# Altium PCB USB to UART.PcbDoc
Units mm, origin at the board's own origin, x right, y up, seen from the top; angles counter-clockwise.
Board outline 22 x 38 mm, 2 copper layers (Top Layer, Bottom Layer); 29 components, 26 nets, 102 pads, 27 vias.
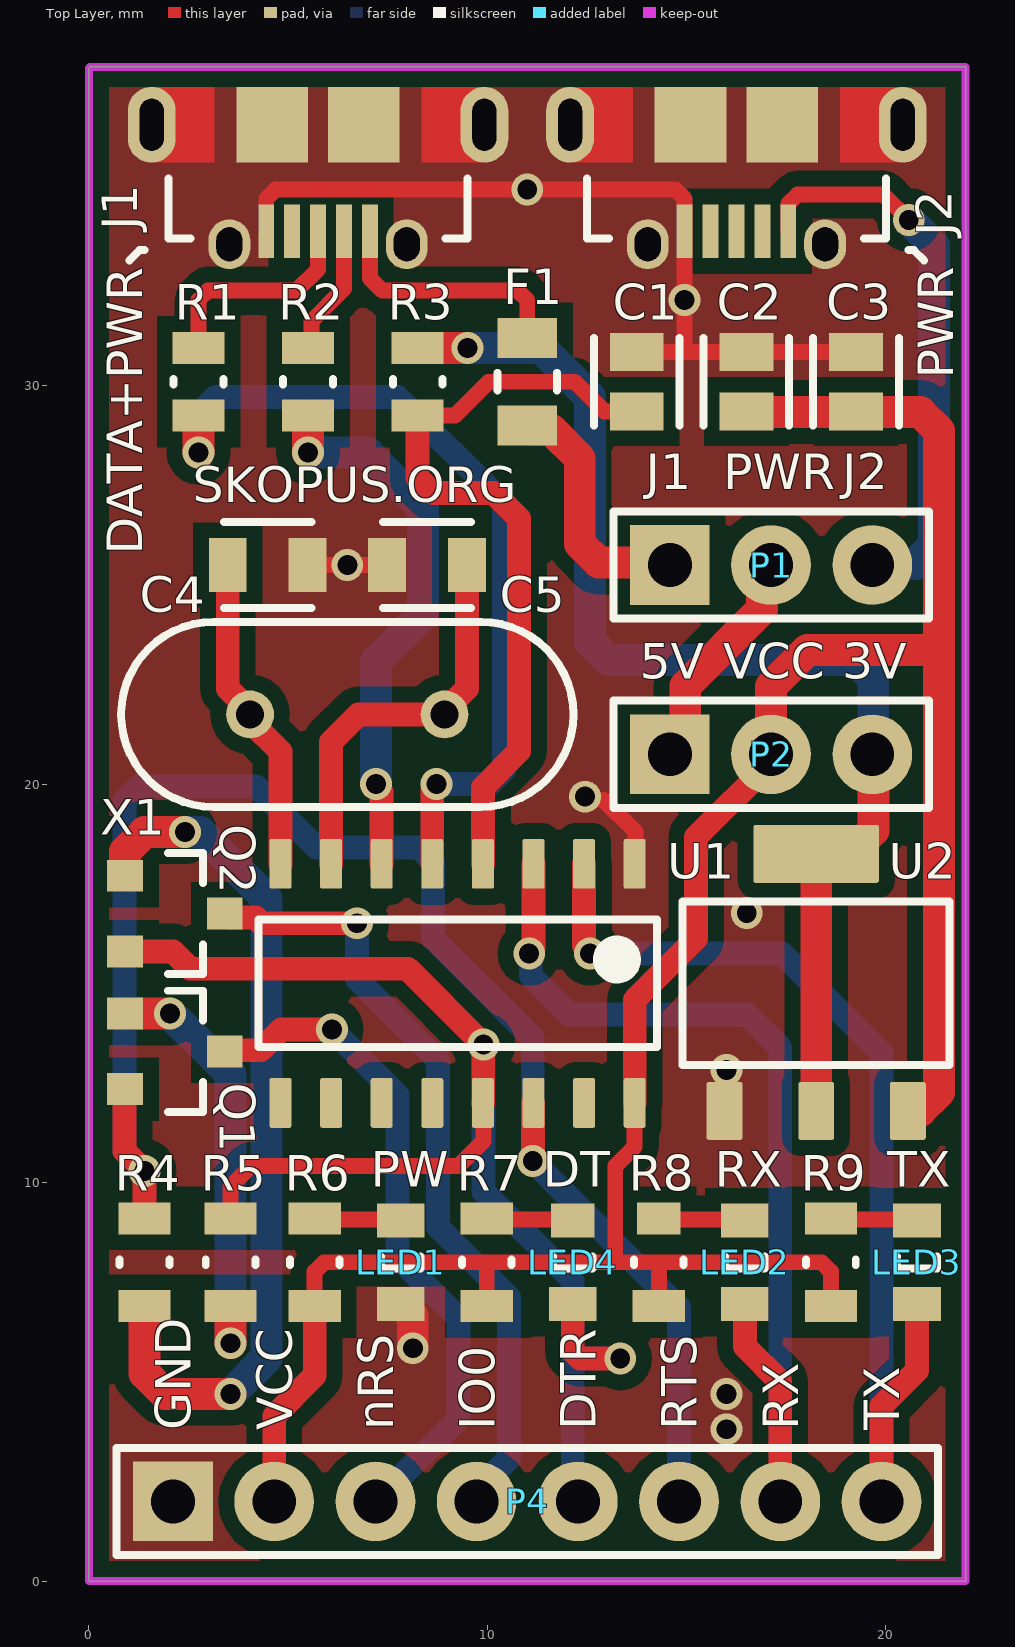
[diagram p0: Top Layer view]
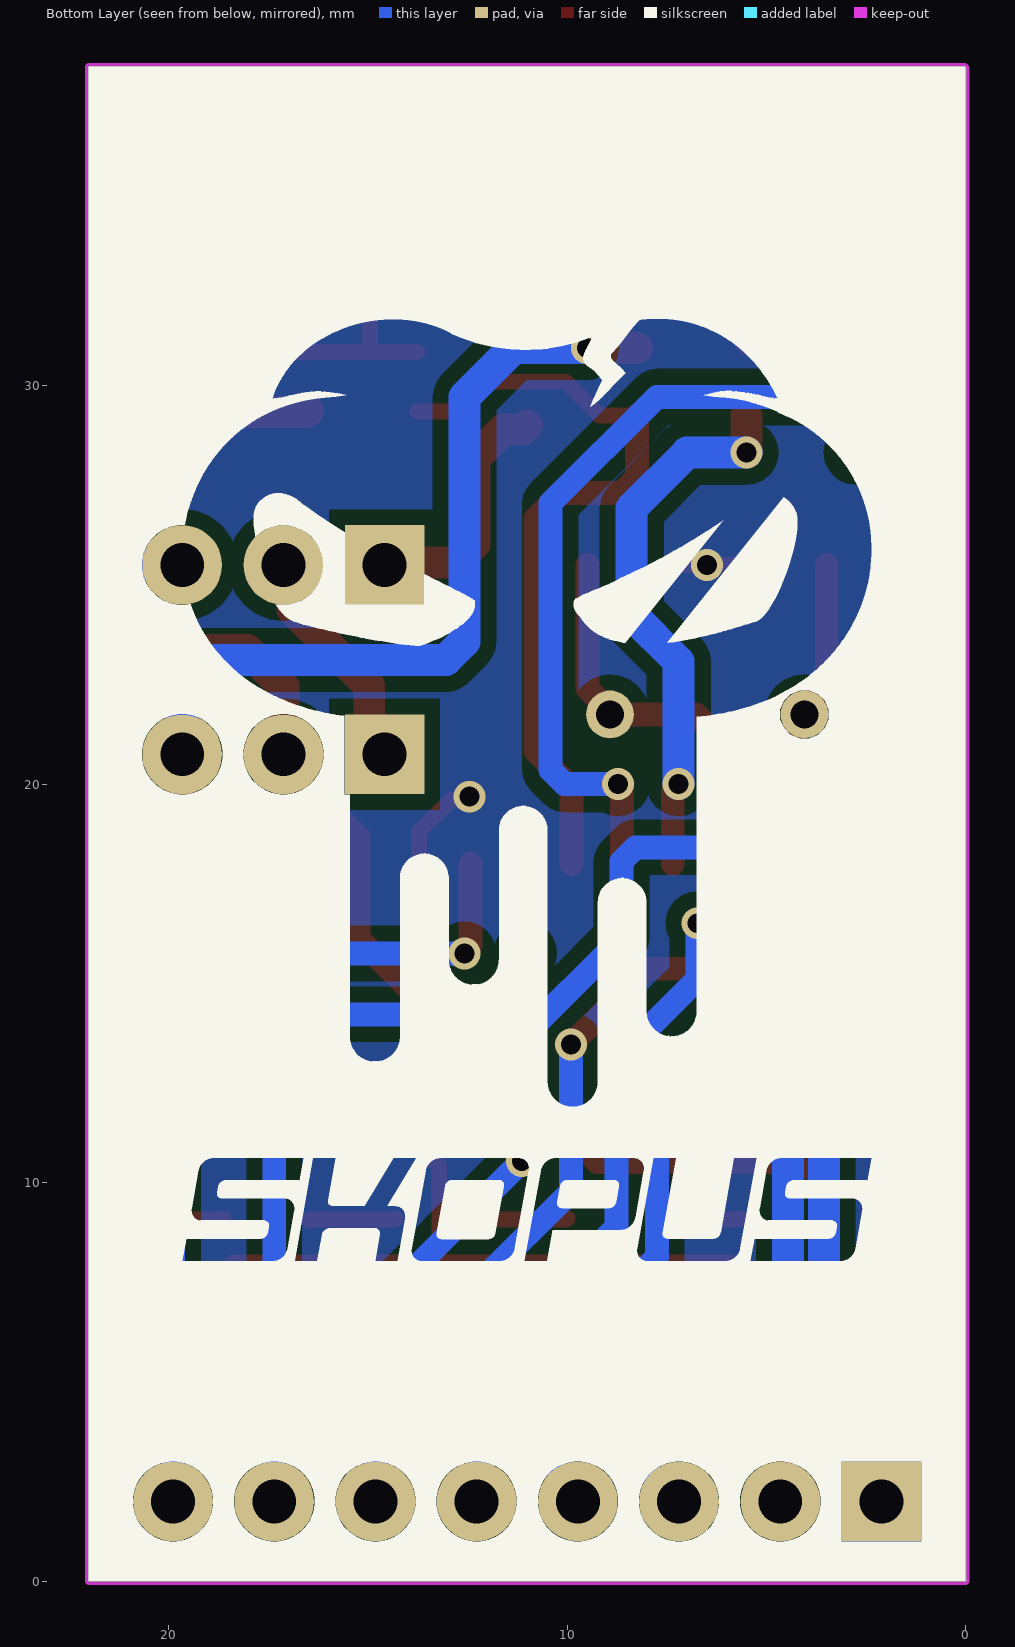
[diagram p1: Bottom Layer view, seen from below]
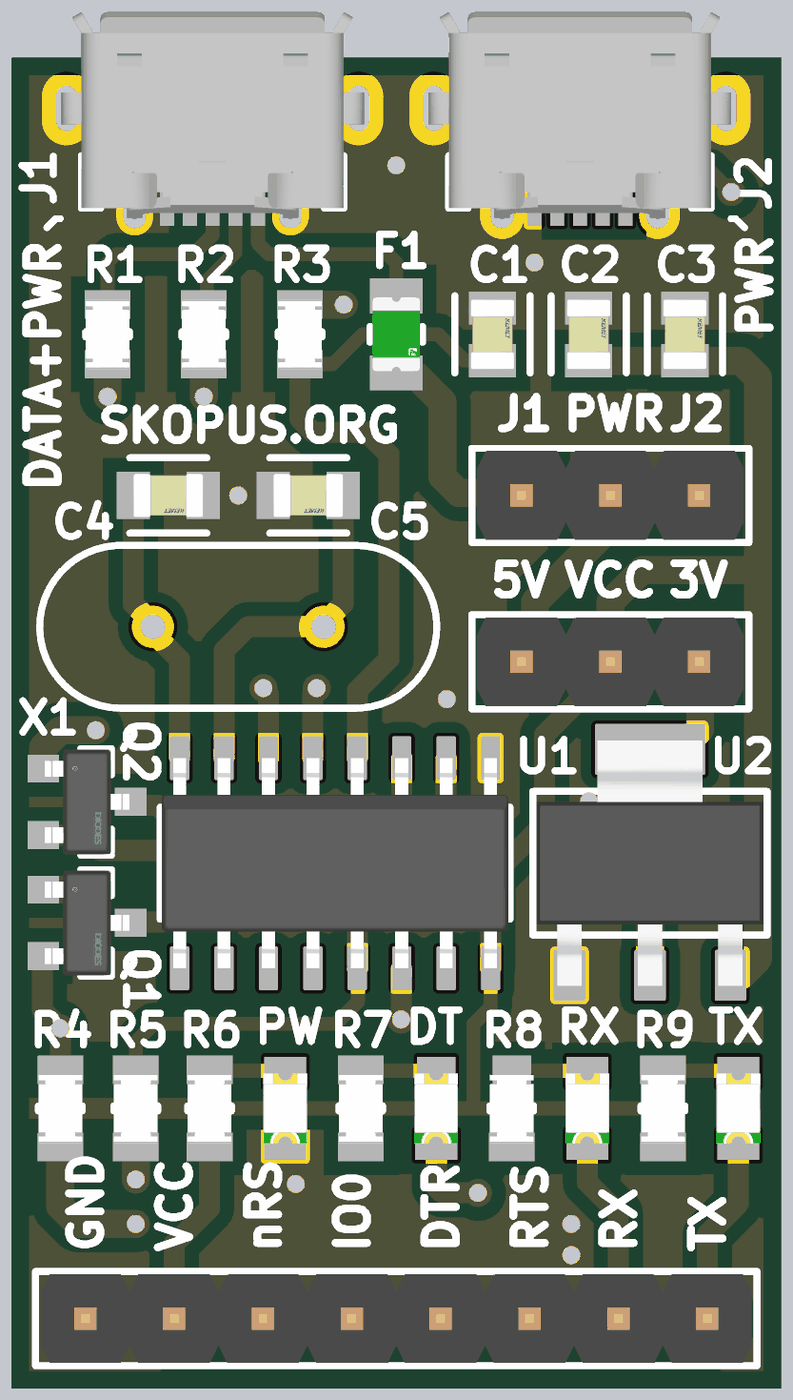
[diagram p2: 3D render of the assembled board from above, using the file's embedded part models]

## Layer stack, top to bottom
Top Solder: solder mask 0.0102, Solder Resist, Dk 3.5
Top Layer: signal copper 0.0356
Dielectric 1: dielectric 0.32, FR-4, Dk 4.8
Bottom Layer: signal copper 0.0356
Bottom Solder: solder mask 0.0102, Solder Resist, Dk 3.5

## Board outline
0,0 0,37.973 0.027,38 22,38 22,0

## Design rules (kind name [scope] priority, off if disabled: settings)
Clearance Clearance_4 [InNamedPolygon('NONET_L01_P-001')] p1: gap=0.4 ignorepadtopadclearanceinfootprint=FALSE except(0: Arc-Hole Track-Hole SMDPad-Hole THPad-Hole Via-Hole Fill-Hole Poly-Hole Region-Hole Text-Hole)
Clearance Clearance_3 [InNamedPolygon('NONET_L01_P-001')] p2: gap=0.4 ignorepadtopadclearanceinfootprint=FALSE except(0: Arc-Hole Track-Hole SMDPad-Hole THPad-Hole Via-Hole Fill-Hole Poly-Hole Region-Hole Text-Hole)
Clearance Clearance_2 [InNamedPolygon('NONET_L01_P-001')] p3: gap=0.5 ignorepadtopadclearanceinfootprint=FALSE except(0: Arc-Hole Track-Hole SMDPad-Hole THPad-Hole Via-Hole Fill-Hole Poly-Hole Region-Hole Text-Hole)
Clearance Clearance_1 [InNamedPolygon('NONET_L01_P-001')] p4: gap=0.75 ignorepadtopadclearanceinfootprint=FALSE except(0: Arc-Hole Track-Hole SMDPad-Hole THPad-Hole Via-Hole Fill-Hole Poly-Hole Region-Hole Text-Hole)
Clearance [All] p5: gap=0.1 ignorepadtopadclearanceinfootprint=FALSE except(0: Arc-Hole Track-Hole SMDPad-Hole THPad-Hole Via-Hole Fill-Hole Poly-Hole Region-Hole Text-Hole)
MinimumSolderMaskSliver [All] p1: minsoldermaskwidth=0.2
PolygonConnect [All] p1: connectstyle=Direct reliefconductorwidth=0.254 reliefentries=4 polygonreliefangle="90 Angle" airgapwidth=0.254
RoutingVias [All] p1: holewidth=0.711 width=1.27 viastyle="Through Hole" minholewidth=0.711 minwidth=1.27 maxholewidth=0.711 maxwidth=1.27
SilkToSilkClearance [All] p1: silktosilkclearance=0.2
SilkToSolderMaskClearance [IsPad] p1: minsilkscreentomaskgap=0.2 clearancetoexposedcopper=TRUE
SolderMaskExpansion [All] p1: expansion=0.102 istentingtop=FALSE
Width [All] p1: maxlimit=2 minlimit=0.01 preferedwidth=0.254 minimp=50.000000 maximp=50.000000 favimp=50.000000
27 further rules are at their usual default settings.

## Components (designator, comment, footprint, x,y, rotation, side; value= is the part's Value field where it differs from the comment)
C1 "100NF" FP-C0805C-DN-MFG#1 13.75,30.1 r270 top value="22 pF"
C2 "100NF" FP-C0805C-DN-MFG#1 16.5,30.1 r270 top value="22 pF"
C3 "10UF" FP-C0805C-DN-MFG#1 19.25,30.1 r270 top value="22 pF"
C4 "22PF" FP-C0805C-DN-MFG#2 4.484,25.5 r180 top value="22 pF"
C5 "22PF" FP-C0805C-DN-MFG#2 8.484,25.5 r180 top value="22 pF"
F1 "0805L050WR" FP-0805L-MFG 11,30.1 r270 top value=0.15-0.85Ω
J1 "47589-0001" MOLX-47589-0001_V#1 5.75,35.05 r180 top
J2 "47589-0001" MOLX-47589-0001_V#2 16.25,35.05 r180 top
LED1 "150080SS75000" 0805_A#1 7.825,8 r90 top
LED2 "150080SS75000" 0805_A#1 16.461,8 r90 top
LED3 "150080SS75000" 0805_A#1 20.779,8 r90 top
LED4 "150080SS75000" 0805_A#2 12.143,8 r90 top
P1 "61300311121" 61300311121 17.119,25.5 r0 top
P2 "61300311121" 61300311121 17.119,20.75 r0 top
P4 "61300811121" 61300811121 11,2 r0 top
Q1 "FMMT491ATA" FP-SOT23_Type_DN-MFG 2.159,13.295 r0 top
Q2 "FMMT491ATA" FP-SOT23_Type_DN-MFG 2.159,16.75 r0 top
R1 "68Ω" FP-CRCW0805-e3-IPC_C#1 2.75,30.1 r270 top
R2 "68Ω" FP-CRCW0805-e3-IPC_C#1 5.5,30.1 r270 top
R3 "10KΩ" FP-CRCW0805-e3-IPC_C#1 8.25,30.1 r270 top
R4 "10KΩ" FP-CRCW0805-e3-IPC_C#2 1.397,8 r90 top
R5 "10KΩ" FP-CRCW0805-e3-IPC_C#2 3.556,8 r90 top
R6 "1KΩ" FP-CRCW0805-e3-IPC_C#2 5.666,8 r90 top
R7 "1KΩ" FP-CRCW0805-e3-IPC_C#2 9.984,8 r90 top
R8 "1KΩ" FP-CRCW0805-e3-IPC_C#3 14.302,8 r90 top
R9 "1KΩ" FP-CRCW0805-e3-IPC_C#2 18.62,8 r90 top
U1 "CH340G" D0016A_L 9.252,15 r270 top
U2 "LM1117-3.3" DCY0004A_L 18.252,15 r90 top
X1 "12MHZ" FOX-FOXSLF-2_V 6.484,21.75 r180 top

## Footprints (in the part's own frame and the unit in brackets; to place one, negate y for a bottom-side part, rotate by r counter-clockwise, add the part's x,y. Pads: shape width x height; smd on the part's side, far side on the other; paste and mask are expansions set on the pad)
0805_A#1 [mm] "Chip LED, 2-Leads, Body 2.0x1.3mm, IPC Medium Density"
  rect 0.85x1.2 smd: 1(-1.05,0) 2(1.05,0)
  silkscreen extent -0.15,-0.5 0.15,0.5, body extent -1,-0.62 1,0.63, height 0.68
0805_A#2 [mm] "Chip LED, 2-Leads, Body 2.0x1.3mm, IPC Medium Density"
  rect 0.85x1.2 smd: 1(-1.05,0)
  rect 0.85x1.1 smd: 2(1.05,0)
  silkscreen extent -0.15,-0.5 0.15,0.5, body extent -1,-0.62 1,0.63, height 0.68
61300311121 [mm] "Pin Header, pitch 2.54 mm, THT, Vertical, single row, 3p"
  rect 2x2 hole 1.1: 1(-2.54,0)
  round 2 hole 1.1: 2(0,0) 3(2.54,0)
  silkscreen extent -3.96,-1.35 3.96,1.35, body extent -3.81,-1.27 3.81,1.27, height 8.57
61300811121 [mm] "Pin Header, pitch 2.54 mm, THT, Vertical, single row, 8p"
  rect 2x2 hole 1.1: 1(-8.89,0)
  round 2 hole 1.1: 2(-6.35,0) 3(-3.81,0) 4(-1.27,0) 5(1.27,0) 6(3.81,0) 7(6.35,0) 8(8.89,0)
  silkscreen extent -10.31,-1.35 10.31,1.35, body extent -10.16,-1.27 10.16,1.27, height 8.57
D0016A_L [mm] "SOIC, 16-Leads, Body 10x4mm, Pitch 1.27mm, IPC High Density"
  rrect18% 1.25x0.55 smd: 1(-3,4.445) 2(-3,3.175) 3(-3,1.905) 4(-3,0.635) 5(-3,-0.635) 6(-3,-1.905) 7(-3,-3.175) 8(-3,-4.445) 9(3,-4.445) 10(3,-3.175) 11(3,-1.905) 12(3,-0.635) 13(3,0.635) 14(3,1.905) 15(3,3.175) 16(3,4.445)
  silkscreen extent -1.6,-5 1.6,5, body extent -3,-4.95 3,4.95, height 1.59
DCY0004A_L [mm] "SOT223, 4-Leads, Body 6.7x3.7mm, Pitch 2.3mm, IPC High Density"
  rrect11% 1.45x0.9 smd: 1(-3.2,2.3) 2(-3.2,0) 3(-3.2,-2.3)
  rrect7% 1.45x3.15 smd: 4(3.25,0)
  silkscreen extent -2.05,-3.35 2.05,3.35, body extent -3.5,-3.25 3.5,3.25, height 1.62
FOX-FOXSLF-2_V [mm] "THD, 2-Leads, Body 11.35x4.65mm, Pitch 4.88mm"
  round 1.2 hole 0.7: 1(-2.44,0) 2(2.44,0)
  silkscreen extent -5.68,-2.32 5.68,2.32, body extent -5.67,-2.32 5.68,2.32, height 3.6
FP-0805L-MFG [mm]
  rect 1x1.5 smd paste+0 mask+0: 1(-1.1,0) 2(1.1,0)
  silkscreen extent -0.23,-0.75 0.23,0.75, body extent -1.7,-0.85 1.7,0.85, height 0.25
FP-C0805C-DN-MFG#1 [mm]
  rect 0.95x1.35 smd paste+0 mask+0: 1(-0.75,0) 2(0.75,0)
  silkscreen extent -1.1,-1.07 1.1,1.07, body extent -1.4,-0.85 1.4,0.85, height 0.25
FP-C0805C-DN-MFG#2 [mm]
  rect 0.95x1.35 smd paste+0 mask+0: 1(-1,0) 2(1,0)
  silkscreen extent -1.1,-1.07 1.1,1.07, body extent -1.4,-0.85 1.4,0.85, height 0.25
FP-CRCW0805-e3-IPC_C#1 [mil]
  rect 31.75x51.5 smd paste+0 mask+0: 1(-33.5,0) 2(33.5,0)
  silkscreen extent -3,-25 3,25, body extent -53,-31 53,31, height 10
FP-CRCW0805-e3-IPC_C#2 [mil]
  rect 31.75x51.5 smd paste+0 mask+0: 1(-43.35,0) 2(43.35,0)
  silkscreen extent -3,-25 3,25, body extent -53,-31 53,31, height 10
FP-CRCW0805-e3-IPC_C#3 [mil]
  rect 31.75x51.5 smd paste+0 mask+0: 1(-43.35,0)
  rect 31.75x43.31 smd paste+0 mask+0: 2(43.35,0)
  silkscreen extent -3,-25 3,25, body extent -53,-31 53,31, height 10
FP-SOT23_Type_DN-MFG [mm]
  rect 0.9x0.8 smd paste+0 mask+0: 1(-1.25,0.95) 2(-1.25,-0.95) 3(1.25,0)
  silkscreen extent -0.18,-1.52 0.7,1.52, body extent -1.55,-1.62 1.55,1.62, height 0.25
MOLX-47589-0001_V#1 [mm] "SMD, 5-Leads, Body 7.5x5.6mm, Pitch 0.65mm"
  rect 0.4x1.35 smd mask+0: 1(-1.3,1.175) 2(-0.65,1.175) 3(0,1.175) 4(0.65,1.175) 5(1.3,1.175)
  oval 1.05x1.25 hole 0.65 slot 0.85 at 90 deg mask+0: 6(-2.225,1.5) 7(2.225,1.5)
  oval 1.2x1.9 hole 0.6 slot 1.3 at 90 deg: 8(-4.175,-1.5) 11(4.175,-1.5)
  rect 1.8x1.9 smd: 9(-1.15,-1.5) 10(1.15,-1.5)
  Top Layer region: -2.6,-0.55 -4.175,-0.55 -4.175,-2.45 -2.6,-2.45
  Top Layer region: 2.6,-2.45 4.175,-2.45 4.175,-0.55 2.6,-0.55
  silkscreen extent -3.75,-0.15 3.75,1.35, body extent -4.32,-4.25 4.32,1.64, height 2.74
MOLX-47589-0001_V#2 [mm] "SMD, 5-Leads, Body 7.5x5.6mm, Pitch 0.65mm"
  rect 0.4x1.35 smd: 1(-1.3,1.175) 2(-0.65,1.175) 3(0,1.175) 4(0.65,1.175) 5(1.3,1.175)
  oval 1.05x1.25 hole 0.65 slot 0.85 at 90 deg: 6(-2.225,1.5) 7(2.225,1.5)
  oval 1.2x1.9 hole 0.6 slot 1.3 at 90 deg: 8(-4.175,-1.5) 11(4.175,-1.5)
  rect 1.8x1.9 smd: 9(-1.15,-1.5) 10(1.15,-1.5)
  Top Layer region: 2.6,-2.45 4.175,-2.45 4.175,-0.55 2.6,-0.55
  Top Layer region: -2.6,-0.55 -4.175,-0.55 -4.175,-2.45 -2.6,-2.45
  silkscreen extent -3.75,-0.15 3.75,1.35, body extent -4.32,-4.25 4.32,1.64, height 2.74

## Part data
C1 C2 C3 C4 C5: library part CMP-2007-00048-2, "Capacitor; Ceramic; Cap; 22.0pF; Tol 5%; SMT; Vol-Rtg 50V; C0G; Tape and Reel", Capacitance="22 pF", Manufacturer=KEMET, Manufacturer Part Number=C0805C220J5GACTU, Package=C0805C-DN, Temperature="-55°C to +125°C", Temperature Characteristic=C0G, Temperature Coefficient=30ppm/°C, Temperature Range High=+125°C, Temperature Range Low=-55°C, Tolerance=0.05, Voltage Rating="50 V", Automotive=No, Category=Cap, ComponentLink2Description=Datasheet, ComponentLink2URL=https://content.kemet.com/datasheets/KEM_C1003_C0G_SMD.pdf, Device Class L1="Passive Components", Device Class L2=Capacitors, Device Class L3="Ceramic Capacitors", Digikey Description="Capacitor; Ceramic; Cap; 22.0pF; Tol 5%; SMT; Vol-Rtg 50V; C0G; Tape and Reel", Height=0.88mm, Ipc Land Pattern Name=CAPC200125X78, Lead Free=Yes, Material=Ceramic, Mouser Description="Multilayer Ceramic Capacitors MLCC - SMD/SMT 50volts 22pF C0G 5%", Octopart=https://octopart.com/c0805c220j5gactu-kemet-145470, RoHS=TRUE
F1: library part CMP-08606-000023-1, "PTC RESET FUSE 6V 500MA 0805", Ambient Temperature Range High=+85°C, Ambient Temperature Range Low=-40°C, Current Rating=100A, Hold Current=0.5A, Manufacturer="Littelfuse Inc.", Package=0805L, Resistance=0.15-0.85Ω, Temperature="-40°C to +85°C", Trip Current=1A, Voltage Rating=6V, Automotive=No, Category=Fuse, ComponentLink2Description=Datasheet, ComponentLink2URL=https://www.littelfuse.com/~/media/electronics/datasheets/resettable_ptcs/littelfuse_ptc_0805l_datasheet.pdf.pdf, Device Class L1="Circuit Protection", Device Class L2="PTC Resettable Fuses", Device Class L3=unset, Digikey Description="PTC RESET FUSE 6V 500MA 0805", Height=1.25mm, Lead Free=Yes, Manufacturer Part Number=0805L050WR, Mouser Description="PTC Resettable Fuse 0.5A(hold) 1A(trip) 6VDC 100A 0.5W 0.1s 0.15Ohm SMD Solder Pad 0805 T/R", Octopart=https://octopart.com/0805l050wr-littelfuse-673858, RoHS=TRUE, Temperature Range High=+85°C, Temperature Range Low=-40°C, Trip Time=0.1s
J1 J2: library part CMP-2000-05610-1, "Right Angle Female Type AB Micro USB Connector, 30 V, 1.8 A, -30 to 85 degC, RoHS, Tape and Reel", Color=Black, Current Rating=1.8A, Manufacturer=Molex, Operating Temperature Range=-20Cto+85C, Package Description="Micro USB Connector, Pitch 0.65 mm, 5 Positions, Body 7.5 x 5.6 mm", Voltage Rating=30VAC, Brand=Molex, Connector Type=MicroUSBTypeABreceptacle, Contact Material=CopperAlloy, Contact Plating=Gold, Datasheet URL=http://www.molex.com/webdocs/datasheets/pdf/en-us/0475890001_IO_CONNECTORS.pdf, Datasheet Version=12/2016, Gender=Female, Manufacturer URL=http://www.molex.com/, Mounting Angle=Right, Mounting Technology=SurfaceMount, Number of Contacts=5Contact, Number of Ports=1Port, Package Reference=47589-0001, Package URL=http://www.molex.com/pdm_docs/sd/475890001_sd.pdf, Packaging=Reel, Product=MicroUSBTypeABConnectors, Product Category=USBConnectors, RoHS=True, Series=47589, Standard=USB, Termination Style=SMD/SMT
LED1 LED2 LED3 LED4: library part CMP-1426-00010-1, "SMD mono-color Chip LED, WL-SMCW, Super Red", Color="Super Red", Manufacturer="Wuerth Elektronik", ComponentLink1Description="Manufacturer URL", ComponentLink1URL=http://www.we-online.com, ComponentLink2Description=Datasheet, ComponentLink2URL=http://katalog.we-online.com/led/datasheet/150080SS75000.pdf, PackageReference=0805_A, PartNumber=150080SS75000
P1 P2: library part CMP-1502-01062-1, "THT Vertical Pin Header WR-PHD, Pitch 2.54 mm, Single Row, 3 pins", Contact Resistance=20mOhm, Manufacturer="Wurth Elektronik", Operating Temperature=-40to105degC, Rated Current=3A, Withstanding Voltage=500VAC, Working Voltage=250VAC, Datasheet URL=https://katalog.we-online.de/em/datasheet/6130xx11121.pdf, Gender=Male, Manufacturer URL=http://www.we-online.de, Mounting Technology=THT, Orientation=Vertical, Package Reference=61300311121, Packaging=Bag, Part Number=61300311121, Pin Number=3, Pitch=2.54mm, Publisher=WurthElektronik, Row Number=Single
P4: library part CMP-1502-01076-1, "THT Vertical Pin Header WR-PHD, Pitch 2.54 mm, Single Row, 8 pins", Contact Resistance=20mOhm, Manufacturer="Wurth Elektronik", Operating Temperature=-40to105degC, Rated Current=3A, Withstanding Voltage=500VAC, Working Voltage=250VAC, Datasheet URL=https://katalog.we-online.de/em/datasheet/6130xx11121.pdf, Gender=Male, Manufacturer URL=http://www.we-online.de, Mounting Technology=THT, Orientation=Vertical, Package Reference=61300811121, Packaging=Bag, Part Number=61300811121, Pin Number=8, Pitch=2.54mm, Publisher=WurthElektronik, Row Number=Single
Q1 Q2: library part CMP-12798-000029-1, "TRANSISTOR NPN 40V 1A SOT23-3 - ANY NPN TRANSOSTOR LIKE S8050 2N2222...", Collector Base Voltage=40V, Collector Emitter Saturation Voltage=0.5V, Emitter Base Voltage=7V, Manufacturer=Diodes, Max Collector Current=1A, Max Junction Temp=+150°C, Package="SOT23 (Type DN)", Power Dissipation=500mW, Temperature="-55°C to +150°C", Temperature Range Low=-55°C, Automotive=Yes, Automotive Grade="Grade 0", Category=Trans, Collector Emitter Breakdown Voltage=40V, Collector Emitter Voltage=40V, ComponentLink2Description=Datasheet, ComponentLink2URL=https://www.diodes.com/assets/Datasheets/FMMT491A.pdf, Device Class L1="Discrete Semiconductors", Device Class L2=Transistors, Device Class L3=BJTs, Digikey Description="TRANS NPN 40V 1A SOT23-3", Footprint Url=https://www.diodes.com/assets/Package-Files/SOT23-Type-DN.pdf, Gain Bandwidth Product=150MHz, Height=1.12mm, Hfe Max=900, Hfe Min=300, Hfe Testic=500mA, Hfe Testvce=5V, Ipc Land Pattern Name=SOT95P242X100-3, Lead Free=Yes, Manufacturer Part Number=FMMT491ATA, Mouser Description="Bipolar Transistors - BJT NPN Medium Power", Number Of Elements=1, Number Of Npn=1, Octopart=https://octopart.com/fmmt491ata-diodes+inc.-356338, RoHS=TRUE, Rthja Max=250°C/W, Standoff Height=0.01mm, Temperature Range High=+150°C
R1 R2: library part CMP-2001-04940-2, "RES Thick Film, 68Ω, 1%, 0.125W, 100ppm/°C, 0805", Case Code (Imperial)=0805, Case Code (Metric)=2012, Max Operating Temperature=155°C, Max Power Dissipation=125mW, Min Operating Temperature=-55°C, Package Quantity=10, Resistance=130kR, Temperature Coefficient=100ppm/°C, Tolerance=1%, Voltage Rating=150V, Case/Package=0805, Composition="Thick Film", Contact Plating=Tin, Depth=1.25mm, Features="Automotive AEC-Q200", Height=0.45mm, Lead Free="Lead Free", Length=2mm, Military Standard=Not, Mount="Surface Mount", Number of Pins=2, Number of Terminations=2, Packaging="Tape and Reel", Power Rating=125mW, Radiation Hardening=No, Termination=SMD/SMT, Voltage Rating (DC)=150V, Weight=0.000194oz, Width=1.25mm, Working Voltage=150V
R3: library part CMP-2001-04940-2, "RES Thick Film, 10KΩ, 1%, 0.125W, 100ppm/°C, 0805", Case Code (Imperial)=0805, Case Code (Metric)=2012, Max Operating Temperature=155°C, Max Power Dissipation=125mW, Min Operating Temperature=-55°C, Package Quantity=10, Resistance=130kR, Temperature Coefficient=100ppm/°C, Tolerance=1%, Voltage Rating=150V, Case/Package=0805, Composition="Thick Film", Contact Plating=Tin, Depth=1.25mm, Features="Automotive AEC-Q200", Height=0.45mm, Lead Free="Lead Free", Length=2mm, Military Standard=Not, Mount="Surface Mount", Number of Pins=2, Number of Terminations=2, Packaging="Tape and Reel", Power Rating=125mW, Radiation Hardening=No, Termination=SMD/SMT, Voltage Rating (DC)=150V, Weight=0.000194oz, Width=1.25mm, Working Voltage=150V
R4 R5: library part CMP-2001-04940-2, "RES Thick Film, 10kΩ, 1%, 0.125W, 100ppm/°C, 0805", Case Code (Imperial)=0805, Case Code (Metric)=2012, Max Operating Temperature=155°C, Max Power Dissipation=125mW, Min Operating Temperature=-55°C, Package Quantity=10, Resistance=130kR, Temperature Coefficient=100ppm/°C, Tolerance=1%, Voltage Rating=150V, Case/Package=0805, Composition="Thick Film", Contact Plating=Tin, Depth=1.25mm, Features="Automotive AEC-Q200", Height=0.45mm, Lead Free="Lead Free", Length=2mm, Military Standard=Not, Mount="Surface Mount", Number of Pins=2, Number of Terminations=2, Packaging="Tape and Reel", Power Rating=125mW, Radiation Hardening=No, Termination=SMD/SMT, Voltage Rating (DC)=150V, Weight=0.000194oz, Width=1.25mm, Working Voltage=150V
R6: library part CMP-2001-04940-2, "RES Thick Film, 1kΩ, 1%, 0.125W, 100ppm/°C, 0805", Case Code (Imperial)=0805, Case Code (Metric)=2012, Max Operating Temperature=155°C, Max Power Dissipation=125mW, Min Operating Temperature=-55°C, Package Quantity=10, Resistance=130kR, Temperature Coefficient=100ppm/°C, Tolerance=1%, Voltage Rating=150V, Case/Package=0805, Composition="Thick Film", Contact Plating=Tin, Depth=1.25mm, Features="Automotive AEC-Q200", Height=0.45mm, Lead Free="Lead Free", Length=2mm, Military Standard=Not, Mount="Surface Mount", Number of Pins=2, Number of Terminations=2, Packaging="Tape and Reel", Power Rating=125mW, Radiation Hardening=No, Termination=SMD/SMT, Voltage Rating (DC)=150V, Weight=0.000194oz, Width=1.25mm, Working Voltage=150V
R7 R8 R9: library part CMP-2001-04940-2, "RES Thick Film, 1KΩ, 1%, 0.125W, 100ppm/°C, 0805", Case Code (Imperial)=0805, Case Code (Metric)=2012, Max Operating Temperature=155°C, Max Power Dissipation=125mW, Min Operating Temperature=-55°C, Package Quantity=10, Resistance=130kR, Temperature Coefficient=100ppm/°C, Tolerance=1%, Voltage Rating=150V, Case/Package=0805, Composition="Thick Film", Contact Plating=Tin, Depth=1.25mm, Features="Automotive AEC-Q200", Height=0.45mm, Lead Free="Lead Free", Length=2mm, Military Standard=Not, Mount="Surface Mount", Number of Pins=2, Number of Terminations=2, Packaging="Tape and Reel", Power Rating=125mW, Radiation Hardening=No, Termination=SMD/SMT, Voltage Rating (DC)=150V, Weight=0.000194oz, Width=1.25mm, Working Voltage=150V
U1: library part CMP-1575-00035-4, "High Speed CMOS 8-Channel Analog Multiplexer/Demultiplexer, D0016A, TUBE", Generic Part Number=CD74HC4051, Manufacturer="Texas Instruments", Operating Temperature Range(C)="-55 to 125", Rating=Catalog, Bandwidth(Max)(MHz)=180, Code_JEDEC="MS-012 variation AC", Configuration="1 X 1：8 MUX", Crosstalk=Yes, DatasheetVersion=SCHS122J, Output Type=CMOS, PackageReference=D0016A, PackageVersion=http://www.ti.com/lit/ml/mpds178g/mpds178g.pdf, Ron(Max)(Ohms)=130, Ron(Typ)(Ohms)=45, VCC(Max)(V)=6, VCC(Min)(V)=2
U2: library part CMP-0062-01638-4, "800mA Low-Dropout Linear Regulator, 4-pin SOT-223, Pb-Free", Manufacturer="Texas Instruments", PackageTopMarking=XYTT*N05A, PartNumber=LM1117MP-3.3/NOPB, PowerWise=N, Code_IPC=SOT223-4, Code_JEDEC=TO-261-AA, ComponentLink1Description="Datasheet URL", ComponentLink1URL=http://www.ti.com/general/docs/lit/getliterature.tsp?genericPartNumber=LM1117-N&fileType=pdf, CompType="LDO IC", High-Reliability=Y, PackageDescription="Molded SOT-223, 6.50 x 3.56 x 1.6mm Body, 4 Lead, 2.3mm Pitch", PackageReference=DCY0004A, PinCount=4, RoHS=Y
X1: library part CMP-1749-00004-1, "Resistance Weld Thru-Hole Crystal, 12 MHz, +/-30 ppm, -20 to 70 degC, 2-Pin THD, RoHS, Bulk", Case\Package=TO-251-3, Input Capacitance="350 pF", Max Operating Temperature="150 degC", Max Power Dissipation="2.5 W", Min Operating Temperature="-55 degC", Package Quantity=70, ComponentLink1Description="Manufacturer URL", ComponentLink1URL=http://www.foxonline.com/, ComponentLink2Description=Datasheet, ComponentLink2URL=http://www.foxonline.com/pdfs/hc49slf.pdf, DatasheetVersion=Mar-15, Elements=1, Height="6.1 mm", Length="6.6 mm", Mount="Through Hole", PackageDescription="2-Pin Through Hole Device, Body 11.35 x 4.65 mm, Pitch 4.88 mm", PackageReference=FOXSLF-2, Packaging=Rail/Tube, Pins=3, Radiation Hardening=No, Rds On Max="115 mohm", REACH SVHC="No SVHC", RoHSCompliant=true, Typical Rise Time="90 ns", Width="2.3 mm"

## Via types
v1: diameter 0.8, hole 0.5, Top Layer to Bottom Layer, tented both sides, 27 vias

## Nets (pads, with @x,y where several pads share a name; then routed paths per layer and width w, separated by ;. In a path a pad name is that pad's centre, name@x,y a point inside that pad or via, vN(x,y) a via of type N, cw(c..) or ccw(c..) an arc to the next point about the centre after c; other vN are vias at no path point)
3V: C1.2 R3.2 U1.4 | length 19.7
  Top Layer w0.4: R3.2 9.183,29.249 10.033,30.099 12.192,30.099 12.941,29.35 C1.2
  Top Layer w0.6: R3.2 8.25,27.691 8.636,27.305 10.16,27.305 10.795,26.67 10.795,20.828 9.887,19.92 U1.4
+3.3: P2.3 R3.1 U2.2 U2.4 | length 30.4
  Top Layer w0.8: R3.1 8.253,30.948 v1(9.5,30.948) ; U2.2 U2.4 19.102,18.25 19.687,18.835 19.687,20.722 P2.3
  Bottom Layer w0.8: v1(9.5,30.948) 11.343,30.948 12.573,29.718 12.573,23.583 13.042,23.114 19.216,23.114 19.685,22.645 19.685,20.776 P2.3
DTR: LED4.1 P4.5 Q2.2 R5.2 U1.13 | length 36.1
  Top Layer w0.4: R5.2 3.556,9.906 4.064,10.414 9.271,10.414 9.906,11.049 U1.13@9.906,12
  Top Layer w0.6: Q2.2 2.107,15.8 2.54,15.367 8.001,15.367 9.897,13.471 9.897,12.009 U1.13 ; LED4.1 12.143,5.764 12.319,5.588 v1(13.335,5.588)
  Bottom Layer w0.6: v1(9.906,13.462) 9.906,9.779 12.143,7.542 12.143,5.588 ; P4.5 12.143,2.127 12.143,5.588 ; v1(13.335,5.588) 12.143,5.588
GND: C1.1 C2.1 C3.1 C4.1 C5.2 J1.5 J1.6 J1.7 J1.8 J1.9 J1.10 J1.11 J2.5 J2.6 J2.7 J2.8 J2.9 J2.10 J2.11 LED1.1 P4.1 U1.1 U2.1 | length 27.6
  Top Layer w0.4: J1.5 4.45,34.691 4.684,34.925 14.716,34.925 14.95,34.691 J2.5 14.95,30.85 ; C4.1 v1(6.484,25.5) C5.2 ; v1(12.446,19.685) 12.523,19.608 12.912,19.608 13.716,18.804 13.716,18.019 U1.1 U1.1@13.649,18.048 ; C1.1 14.95,30.85 ; U2.1 16.002,11.85 v1(16.002,12.827) ; C3.1 C2.1 14.95,30.85
  Top Layer w0.8: LED1.1 8.128,6.647 v1(8.128,5.842)
  other v1: 16.002,3.81 16.002,4.699 16.51,16.764 14.95,32.15 11,34.925
GPIO0: P4.4 Q2.3 | length 20.1
  Top Layer w0.6: Q2.3 3.509,16.65 4.178,16.65 4.318,16.51 v1(6.731,16.51)
  Top Layer w0.8: P4.4 P4.4@9.883,2.153
  Bottom Layer w0.6: v1(6.731,16.51) 6.731,15.113 8.763,13.081 8.763,8.89 10.541,7.112 10.541,3.082 9.73,2.271 P4.4
NetF1_2: F1.2 P1.1 | length 6.3
  Top Layer w0.8: F1.2 11.1,28.9 11.596,28.9 12.319,28.177 12.319,26.035 12.788,25.566 14.513,25.566 P1.1
NetLED1_2: LED1.2 R6.2 | length 2.2
  Top Layer w0.4: R6.2 5.691,9.076 7.799,9.076 LED1.2
NetLED2_2: LED2.2 R8.2 | length 2.2
  Top Layer w0.4: R8.2 14.327,9.076 16.435,9.076 LED2.2
NetLED3_2: LED3.2 R9.2 | length 2.2
  Top Layer w0.4: R9.2 18.645,9.076 20.753,9.076 LED3.2
NetLED4_2: LED4.2 R7.2 | length 2.2
  Top Layer w0.4: R7.2 10.009,9.076 12.117,9.076 LED4.2
NetP1_2: P1.2 P2.1 | length 5.8
  Top Layer w0.8: P2.1 14.967,21.138 14.967,22.46 16.889,24.382 16.889,25.27 P1.2
nRST: P4.3 Q1.3 | length 17
  Top Layer w0.6: Q1.3 3.436,13.322 4.305,13.322 4.826,13.843 v1(6.096,13.843)
  Top Layer w0.8: P4.3 P4.3@7.239,2.049
  Bottom Layer w0.6: v1(6.096,13.843) 7.747,12.192 7.747,8.128 9.271,6.604 9.271,4.064 7.207,2 P4.3
Q1_Base: Q1.1 R5.1 | length 10.9
  Top Layer w0.8: Q1.1@0.995,14.245 v1(2.032,14.245) ; v1(3.556,5.969) R5.1
  Bottom Layer w0.8: v1(2.032,14.245) 3.556,12.721 v1(3.556,5.969)
Q2_Base: Q2.1 R4.1 | length 21.9
  Top Layer w0.8: Q2.1 0.909,18.308 1.397,18.796 v1(2.413,18.796) ; R4.1 1.397,5.207 1.905,4.699 v1(3.556,4.699)
  Bottom Layer w0.8: v1(2.413,18.796) 2.794,18.796 4.456,17.134 4.456,5.596 3.559,4.699 v1(3.556,4.699)
RTS: P4.6 Q1.2 R4.2 U1.14 | length 41.7
  Top Layer w0.4: v1(11.138,10.538) v1@11.148,10.547 ; U1.14@11.148,11.99 U1.14
  Top Layer w0.6: Q1.2 0.909,12.265 0.889,12.245 0.889,10.795 v1(1.397,10.287) R4.2 ; v1@11.148,10.547 U1.14@11.148,11.99
  Bottom Layer w0.6: v1(1.397,10.287) 0.889,10.795 0.889,19.588 1.24,19.939 4.191,19.939 5.715,18.415 8.285,18.415 8.636,18.064 8.636,16.129 11.138,13.627 v1(11.138,10.538) 14.81,6.866 P4.6
RXD: LED2.1 P4.7 U1.3 | length 26.6
  Top Layer w0.6: v1(11.049,15.75) 11.049,15.804 11.157,15.912 U1.3 ; LED2.1 16.461,5.891 17.35,5.002 P4.7
  Bottom Layer w0.6: v1(11.049,15.75) 11.087,15.712 11.087,15.202 12.065,14.224 16.51,14.224 17.35,13.384 P4.7
TXD: LED3.1 P4.8 U1.2 | length 27.2
  Top Layer w0.6: U1.2 12.427,15.95 12.573,15.804 v1(12.573,15.75) ; P4.8 19.89,4.396 20.779,5.285 LED3.1
  Bottom Layer w0.6: v1(12.573,15.75) 17.397,15.75 19.89,13.257 P4.8
UD+: R1.2 U1.5 | length 21.4
  Top Layer w0.6: U1.5 8.617,19.838 8.725,19.946 v1(8.725,20)
  Top Layer w0.8: v1(2.75,28.319) R1.2
  Bottom Layer w0.6: v1(2.75,28.319) 2.788,28.357 2.788,29.331 3.175,29.718 7.747,29.718 10.414,27.051 10.414,20.351 10.063,20 v1(8.725,20)
UD-: R2.2 U1.6 | length 13.9
  Top Layer w0.6: v1(7.201,20) 7.201,19.946 7.347,19.8 U1.6
  Top Layer w0.8: v1(5.5,28.319) R2.2
  Bottom Layer w0.8: v1(5.5,28.319) 6.987,28.319 8.382,26.924 8.382,24.257 7.201,23.076 v1(7.201,20)
UDR+: J1.3 R1.1 | length 5.5
  Top Layer w0.4: R1.1 2.75,32.151 2.984,32.385 5.207,32.385 5.75,32.928 J1.3
UDR-: J1.2 R2.1 | length 3.3
  Top Layer w0.4: R2.1 5.588,31.039 5.588,31.623 6.4,32.435 J1.2
VBUS1: F1.1 J1.1 | length 6.3
  Top Layer w0.4: J1.1 7.05,32.701 7.366,32.385 10.766,32.385 11,32.151 F1.1
VBUS2: J2.1 P1.3 | length 14.3
  Top Layer w0.4: J2.1 17.55,34.564 17.784,34.798 19.939,34.798 v1(20.574,34.163)
  Bottom Layer w0.8: P1.3 19.686,25.527 20.74,25.527 21.209,25.996 21.209,33.528 v1(20.574,34.163)
VCC: C2.2 C3.2 P2.2 P4.2 R6.1 R7.1 R8.1 R9.1 U1.16 U2.3 | length 65.7
  Top Layer w0.4: R6.1 5.666,7.767 5.9,8.001 9.984,8.001 ; R7.1 9.984,8.001 ; U1.16 13.697,10.903 13.208,10.414 13.208,8.001 ; R8.1 14.302,8.001 ; R9.1 18.62,7.767 18.386,8.001 14.302,8.001 ; 9.984,8.001 13.208,8.001 ; 13.208,8.001 14.302,8.001
  Top Layer w0.6: P4.2 4.65,4.142 5.666,5.158 R6.1 ; U1.16 13.697,14.586 15.24,16.129 15.24,18.669 17.119,20.548 P2.2
  Top Layer w0.8: C2.2 16.513,29.337 19.25,29.337 20.867,29.337 21.336,28.868 21.336,23.368 ; P2.2 17.119,22.453 18.034,23.368 21.336,23.368 ; U2.3 20.867,11.8 21.336,12.269 21.336,23.368
XI: C5.1 U1.7 X1.1 | length 10.2
  Top Layer w0.6: U1.7 6.077,21.063 6.764,21.75 X1.1 8.924,21.841 9.484,22.401 C5.1
XO: C4.2 U1.8 X1.2 | length 8
  Top Layer w0.4: X1.2@4.044,21.579 X1.2
  Top Layer w0.6: C4.2 3.484,22.401 4.044,21.841 X1.2 ; X1.2@4.044,21.579 4.807,20.816 U1.8
pads on no net: J1.4 J2.2 J2.3 J2.4 U1.9 U1.10 U1.11 U1.12 U1.15

## Polygon pours and split planes (outlines as drawn)
GND on Bottom Layer "NONET_L01_P-001" (solid, pour order 1): 0,0 0,37.973 0.027,38 22,38 22,0
GND on Top Layer "NONET_L01_P-001" (solid, pour order 2): 0,0 0,37.973 0.027,38 22,38 22,0
no net on Bottom Overlay "NONET_L01_P-001" (solid): 0.006,0.006 0.006,38.006 22.006,38.006 22.006,0.006

## Keep-outs
Keep-Out Layer:
  the board outline again, w0.2

## Silkscreen, mask and mechanical layers (free items; w line width, h text height)
Top Overlay:
  lines w0.2: 1.016,33.147 1.27,33.401 1.397,33.401 ; 20.574,33.401 20.701,33.401 20.955,33.147
  text "PWR" at 21.688,30.169 h0.9 r90
  text "J1" at 13.979,27.4 h0.9
  text "PWR" at 15.919,27.4 h0.9
  text "J2" at 18.909,27.4 h0.9
  text "SKOPUS.ORG" at 2.601,27.069 h0.9
  text "DATA+PWR" at 1.339,25.761 h0.9 r90
  text "5V" at 13.829,22.65 h0.9
  text "VCC" at 15.919,22.65 h0.9
  text "3V" at 18.909,22.65 h0.9
  text "PW" at 7.075,9.9 h0.9
  text "DT" at 11.393,9.9 h0.9
  text "RX" at 15.711,9.9 h0.9
  text "TX" at 20.029,9.9 h0.9
  text "GND" at 2.56,3.779 h0.9 r90
  text "VCC" at 5.1,3.779 h0.9 r90
  text "nRS" at 7.64,3.779 h0.9 r90
  text "IO0" at 10.18,3.779 h0.9 r90
  text "DTR" at 12.72,3.779 h0.9 r90
  text "RTS" at 15.26,3.779 h0.9 r90
  text "RX" at 17.8,3.779 h0.9 r90
  text "TX" at 20.34,3.779 h0.9 r90
Bottom Overlay:
  drawing of 25 lines, arcs and shapes, not listed

## Text inside footprints (layer, text, board x,y; h text height)
J1: Mechanical 1 "PCB EDGE" at 0.05,37.55 h1 r180
J2: Mechanical 1 "PCB EDGE" at 10.55,37.55 h1 r180